# Altium PCB PCB1.PcbDoc
Units mm, origin at the board's own origin, x right, y up, seen from the top; angles counter-clockwise.
Board outline 179.96 x 99.31 mm, 2 copper layers (Top Layer, Bottom Layer); 90 components, 58 nets, 370 pads, 316 vias.
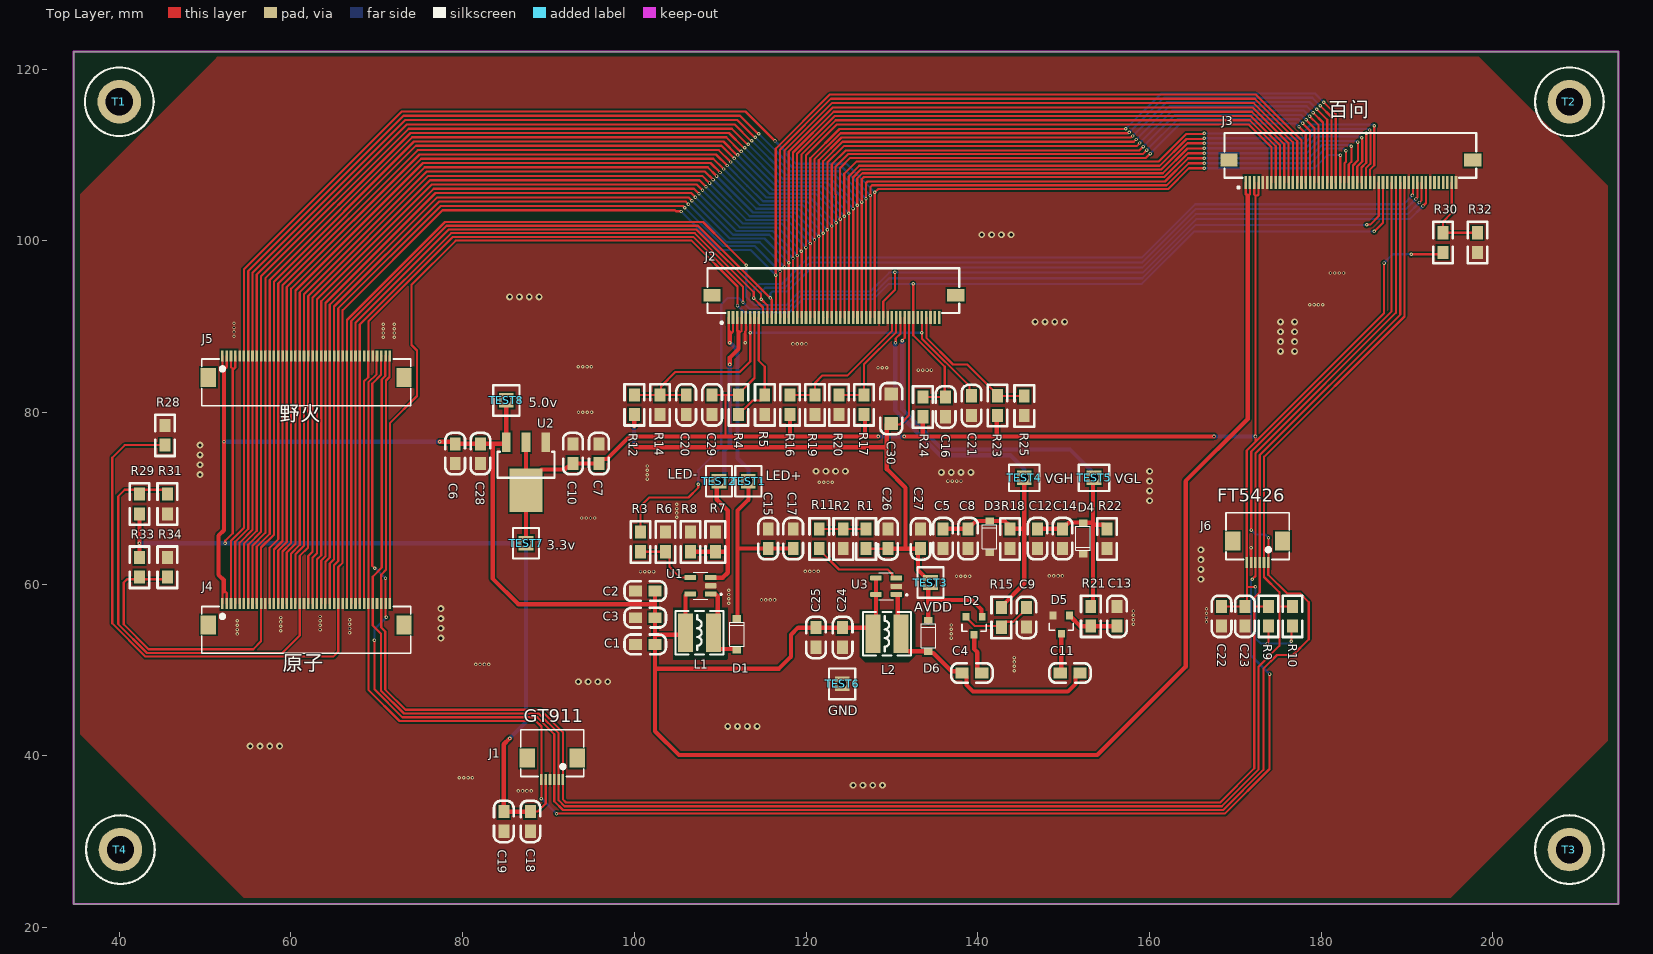
[diagram p0: Top Layer view]
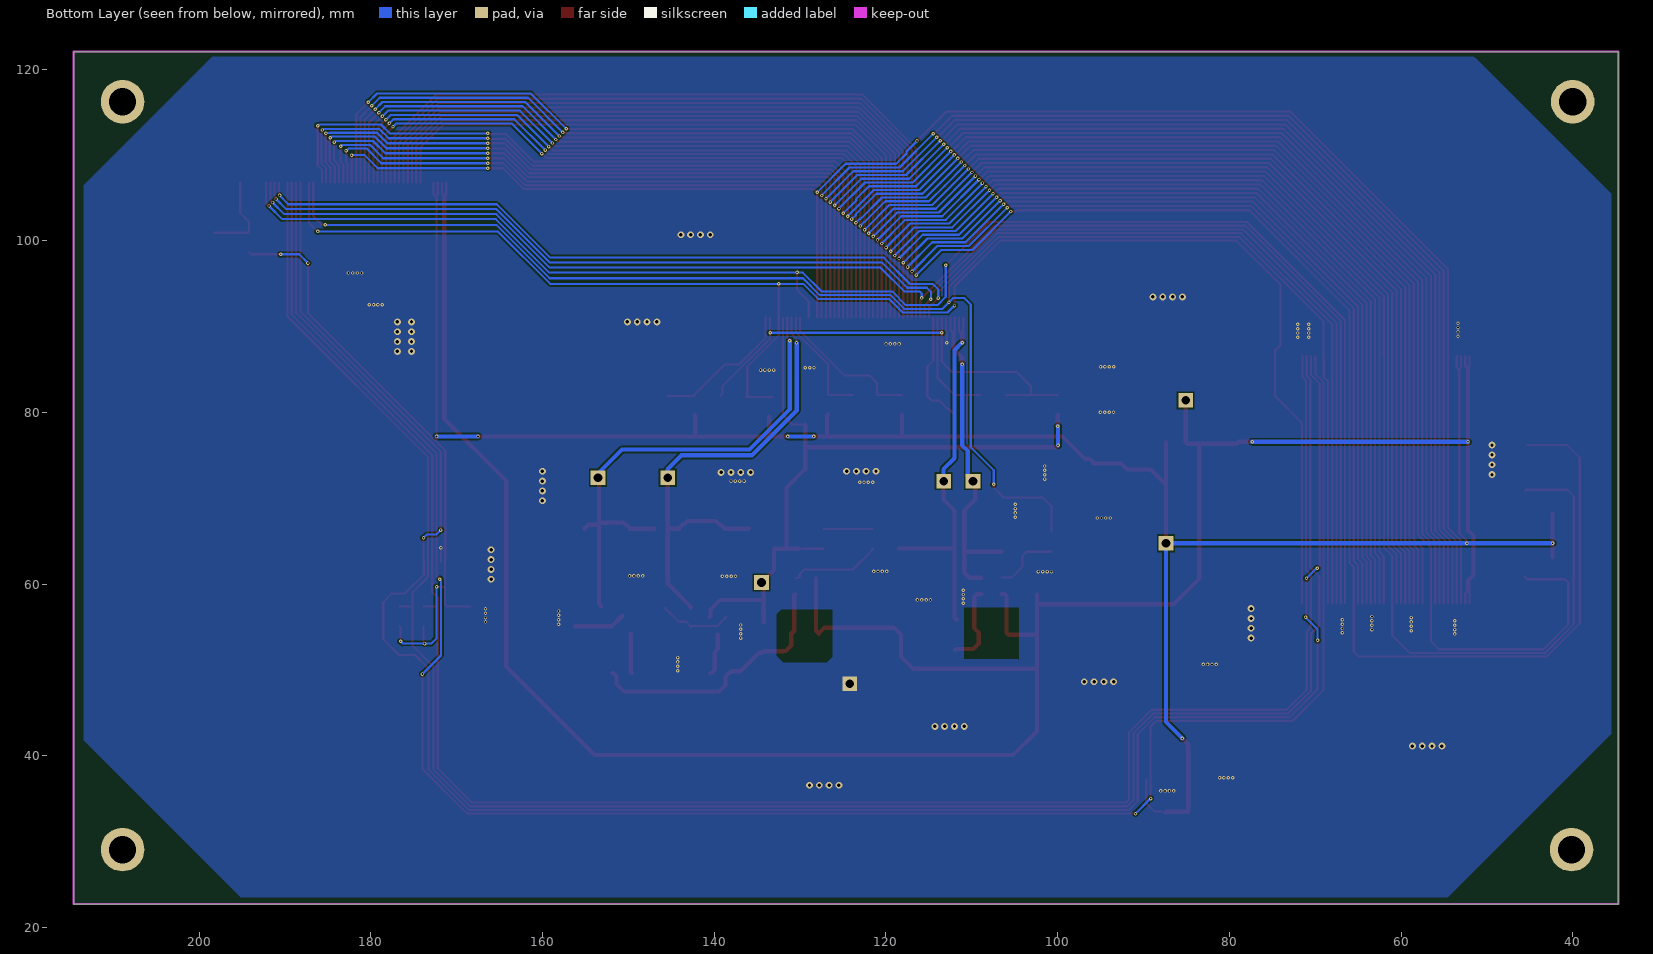
[diagram p1: Bottom Layer view, seen from below]
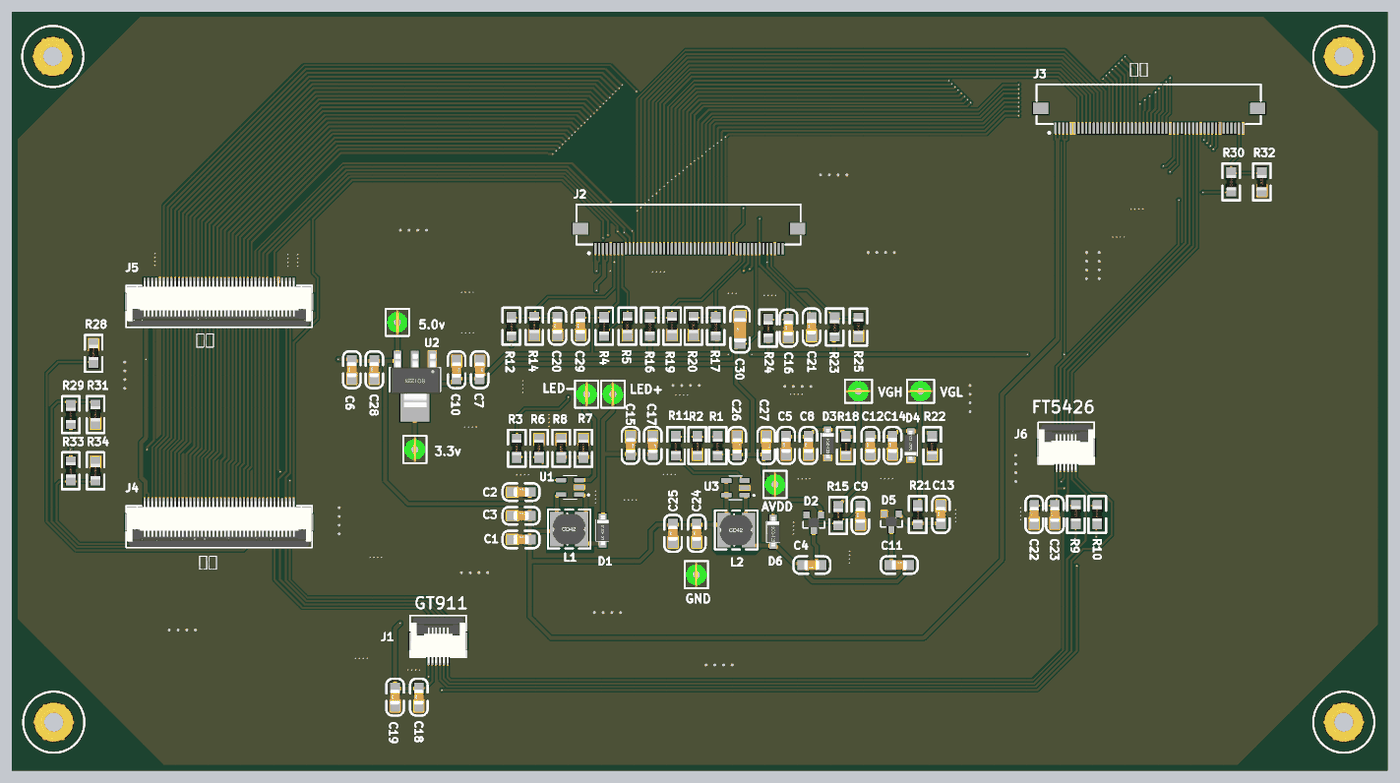
[diagram p2: 3D render of the assembled board from above, using the file's embedded part models]

## Layer stack, top to bottom
Top Solder: solder mask 0.0102, Solder Resist, Dk 3.5
Top Layer: signal copper 0.0356
Dielectric 1: dielectric 0.32, FR-4, Dk 4.8
Bottom Layer: signal copper 0.0356
Bottom Solder: solder mask 0.0102, Solder Resist, Dk 3.5

## Board outline
34.671,22.733 34.671,122.047 214.63,122.047 214.63,22.733

## Design rules (kind name [scope] priority, off if disabled: settings)
Clearance [All] p1: gap=0.18 ignorepadtopadclearanceinfootprint=FALSE
HoleSize [All] p1: absolutevalues=TRUE maxlimit=10 minlimit=0.025 maxpercent=80.000 minpercent=20.000
PolygonConnect [All] p1: connectstyle=Direct reliefconductorwidth=0.254 reliefentries=4 polygonreliefangle="90 Angle" airgapwidth=0.254
RoutingVias [All] p1: holewidth=0.2 width=0.4 viastyle="Through Hole" minholewidth=0.1 minwidth=0.2 maxholewidth=0.4 maxwidth=1
SolderMaskExpansion [All] p1: expansion=0.102 istentingtop=FALSE
Width [All] p1: maxlimit=1 minlimit=0.254 preferedwidth=0.254 minimp=50.000000 maximp=50.000000 favimp=50.000000
29 further rules are at their usual default settings.

## Components (designator, comment, footprint, x,y, rotation, side; value= is the part's Value field where it differs from the comment)
C1 "10u" 0805C 100.145,53.002 r0 top
C2 "10u" 0805C 100.145,59.207 r0 top
C3 "100n" 0805C 100.145,56.105 r0 top
C4 "100n" 0805C 140.444,49.647 r180 top
C5 "1u" 0805C 135.952,64.182 r90 top
C6 "10u" 0805C 79.121,74.084 r90 top
C7 "100n" 0805C 95.866,76.331 r270 top
C8 "100n" 0805C 138.861,64.182 r90 top
C9 "1u" 0805C 145.659,55.009 r90 top
C10 "10u" 0805C 92.847,76.331 r270 top
C11 "100n" 0805C 149.624,49.667 r0 top
C12 "1u" 0805C 146.954,64.182 r90 top
C13 "1u" 0805C 156.2,55.136 r90 top
C14 "100n" 0805C 149.864,64.182 r90 top
C15 "1u" 0805C 115.602,66.428 r270 top
C16 "100n" 0805C 136.249,79.52 r90 top
C17 "100n" 0805C 118.511,66.428 r270 top
C18 "10u" 0805C 87.884,31.238 r90 top
C19 "100n" 0805C 84.782,31.238 r90 top
C20 "100n" 0805C 106.029,79.774 r90 top
C21 "100n" 0805C 139.271,79.685 r90 top
C22 "10u" 0805C 168.402,55.136 r90 top
C23 "100n" 0805C 171.109,55.136 r90 top
C24 "10u" 0805C 124.25,52.672 r90 top
C25 "100n" 0805C 121.148,52.672 r90 top
C26 "100n" 0805C 129.55,66.403 r270 top
C27 "10u" 0805C 133.36,66.403 r270 top
C28 "100n" 0805C 82.061,74.084 r90 top
C29 "100n" 0805C 109.051,79.774 r90 top
C30 "100u" 1206C 129.921,78.74 r90 top
D1 "SS54" SOD-123 111.935,52.399 r90 top
D2 "BAV99" SOT23-3 139.573,55.217 r180 top
D3 "SS54" SOD-123 141.382,63.764 r90 top
D4 "SS54" SOD-123 152.273,67.107 r270 top
D5 "BAV99" SOT23-3 149.733,55.344 r180 top
D6 "SS54" SOD-123 134.239,52.197 r90 top
J1 "FPC0.5-6P" FPC0.5-6P 90.424,39.751 r180 top
J2 "50PIN0.5后压" FPC-SMD_KH-FG0.5-H2.0-50PIN 123.241,92.359 r0 top
J3 "50PIN0.5后压" FPC-SMD_KH-FG0.5-H2.0-50PIN 183.455,108.107 r0 top
J4 "FPC0.5-40P" FPC0.5-40P 61.766,55.252 r0 top
J5 "FPC0.5-40P" FPC0.5-40P 61.766,84.081 r0 top
J6 "FPC0.5-6P" FPC0.5-6P 172.593,65.024 r180 top
L1 "10uH" CD42 107.569,54.356 r0 top
L2 "10uH" CD42 129.413,54.229 r0 top
R1 "100k" 0805R 127,64.135 r90 top
R2 "15k" 0805R 124.333,64.135 r90 top
R3 "10k" 0805R 100.711,66.065 r270 top
R4 "0R" 0805R 112.141,79.756 r90 top
R5 "NC" 0805R 115.189,82.042 r270 top
R6 "47k" 0805R 103.618,66.065 r270 top
R7 "4.7R" 0805R 109.431,66.065 r270 top
R8 "4.7R" 0805R 106.524,66.065 r270 top
R9 "10k" 0805R 173.863,57.404 r270 top
R10 "10k" 0805R 176.657,57.404 r270 top
R11 "100k" 0805R 121.539,64.135 r90 top
R12 "10k" 0805R 99.992,79.756 r90 top
R14 "6.8k" 0805R 102.997,82.042 r270 top
R15 "1.2K" 0805R 142.748,54.987 r90 top
R16 "10k" 0805R 118.124,79.756 r90 top
R17 "NC" 0805R 126.746,79.756 r90 top
R18 "NC" 0805R 143.764,64.135 r90 top
R19 "NC" 0805R 121.031,82.042 r270 top
R20 "10k" 0805R 123.825,82.042 r270 top
R21 "2K" 0805R 153.162,55.114 r90 top
R22 "NC" 0805R 155.067,64.135 r90 top
R23 "NC" 0805R 142.299,79.667 r90 top
R24 "10K" 0805R 133.604,79.502 r90 top
R25 "10k" 0805R 145.415,81.915 r270 top
R28 "10k" 0805R 45.339,78.486 r270 top
R29 "10k" 0805R 42.355,68.199 r90 top
R30 "NC" 0805R 194.183,98.654 r90 top
R31 "10k" 0805R 45.593,70.485 r270 top
R32 "10k" 0805R 198.196,98.654 r90 top
R33 "10k" 0805R 42.355,63.119 r270 top
R34 "10k" 0805R 45.593,60.833 r90 top
T1 "M3铜柱" "M3 单孔" 40.005,116.205 r0 top
T2 "M3铜柱" "M3 单孔" 208.915,116.205 r0 top
T3 "M3铜柱" "M3 单孔" 208.915,29.083 r0 top
T4 "M3铜柱" "M3 单孔" 40.132,29.083 r0 top
TEST1 "TEST" "TEST TP1.4_G" 113.284,72.009 r90 top
TEST2 "TEST" "TEST TP1.4_G" 109.855,72.009 r90 top
TEST3 "TEST" "TEST TP1.4_G" 134.493,60.198 r90 top
TEST4 "TEST" "TEST TP1.4_G" 145.415,72.39 r180 top
TEST5 "TEST" "TEST TP1.4_G" 153.543,72.39 r180 top
TEST6 "TEST" "TEST TP1.4_G" 124.206,48.387 r90 top
TEST7 "TEST" "TEST TP1.4_G" 87.376,64.77 r90 top
TEST8 "TEST" "TEST TP1.4_G" 85.09,81.407 r90 top
U1 "MP3302" SOT95P280X100-5N 107.696,59.817 r180 top
U2 "AMS1117" SOT223 87.376,76.53 r180 top
U3 "MP1541" SOT95P280X100-5N 129.333,59.756 r180 top

## Footprints (in the part's own frame and the unit in brackets; to place one, negate y for a bottom-side part, rotate by r counter-clockwise, add the part's x,y. Pads: shape width x height; smd on the part's side, far side on the other; paste and mask are expansions set on the pad)
0805C [mil]
  rect 60x50 smd: 1(-0.71,-0.4) 2(89.29,-0.4)
  silkscreen extent -51,-45 139,45, body extent 6,-25 84,25, height 31
0805R [mil]
  rect 60x50 smd: 1(0,0) 2(90,0)
  silkscreen extent -50,-45 140,45, body extent 1,-25 80,25, height 15
1206C [mil]
  rect 60x60 smd: 1(0,0) 2(135,0)
  silkscreen extent -50,-50 185,50, body extent 2,-31 128,32, height 39
CD42 [mm] "4.5*4*2mm（长宽高）"
  rect 1.75x4.5 smd: 1(-1.625,0) 2(1.625,0)
  silkscreen extent -2.79,-2.54 2.79,2.54, body extent -2.21,-2 2.21,2, height 2.1
FPC0.5-6P [mm]
  rect 1.8x2.2 smd: 0(-2.9,0) 0(2.9,0)
  rect 0.3x1.3 smd: 1(-1.25,2.497) 2(-0.75,2.497) 3(-0.25,2.497) 4(0.25,2.497) 5(0.75,2.497) 6(1.25,2.497)
  silkscreen extent -3.67,-3.3 3.67,2.16, body extent -3.6,-3.05 3.6,2.95, height 2
FPC0.5-40P [mm]
  rect 1.8x2.2 smd: 0(-11.4,0) 0(11.4,0)
  rect 0.3x1.3 smd: 1(-9.75,2.497) 2(-9.25,2.497) 3(-8.75,2.497) 4(-8.25,2.497) 5(-7.75,2.497) 6(-7.25,2.497) 7(-6.75,2.497) 8(-6.25,2.497) 9(-5.75,2.497) 10(-5.25,2.497) 11(-4.75,2.497) 12(-4.25,2.497) 13(-3.75,2.497) 14(-3.25,2.497) 15(-2.75,2.497) 16(-2.25,2.497) 17(-1.75,2.497) 18(-1.25,2.497) 19(-0.75,2.497) 20(-0.25,2.497) 21(0.25,2.497) 22(0.75,2.497) 23(1.25,2.497) 24(1.75,2.497) 25(2.25,2.497) 26(2.75,2.497) 27(3.25,2.497) 28(3.75,2.497) 29(4.25,2.497) 30(4.75,2.497) 31(5.25,2.497) 32(5.75,2.497) 33(6.25,2.497) 34(6.75,2.497) 35(7.25,2.497) 36(7.75,2.497) 37(8.25,2.497) 38(8.75,2.497) 39(9.25,2.497) 40(9.75,2.497)
  silkscreen extent -12.17,-3.3 12.17,2.16, body extent -12.09,-3.23 12.11,2.77, height 2
FPC-SMD_KH-FG0.5-H2.0-50PIN [mm]
  rect 0.3x1.5 smd: 1(-12.25,-1.3) 2(-11.75,-1.3) 3(-11.25,-1.3) 4(-10.75,-1.3) 5(-10.25,-1.3) 6(-9.75,-1.3) 7(-9.25,-1.3) 8(-8.75,-1.3) 9(-8.25,-1.3) 10(-7.75,-1.3) 11(-7.25,-1.3) 12(-6.75,-1.3) 13(-6.25,-1.3) 14(-5.75,-1.3) 15(-5.25,-1.3) 16(-4.75,-1.3) 17(-4.25,-1.3) 18(-3.75,-1.3) 19(-3.25,-1.3) 20(-2.75,-1.3) 21(-2.25,-1.3) 22(-1.75,-1.3) 23(-1.25,-1.3) 24(-0.75,-1.3) 25(-0.25,-1.3) 26(0.25,-1.3) 27(0.75,-1.3) 28(1.25,-1.3) 29(1.75,-1.3) 30(2.25,-1.3) 31(2.75,-1.3) 32(3.25,-1.3) 33(3.75,-1.3) 34(4.25,-1.3) 35(4.75,-1.3) 36(5.25,-1.3) 37(5.75,-1.3) 38(6.25,-1.3) 39(6.75,-1.3) 40(7.25,-1.3) 41(7.75,-1.3) 42(8.25,-1.3) 43(8.75,-1.3) 44(9.25,-1.3) 45(9.75,-1.3) 46(10.25,-1.3) 47(10.75,-1.3) 48(11.25,-1.3) 49(11.75,-1.3) 50(12.25,-1.3)
  rect 2x1.5 smd: 51(14.2,1.3) 52(-14.2,1.3)
  silkscreen extent -14.73,-2.03 14.6,4.45
"M3 单孔" [mm] "M3铜柱，长：4mm"
  round 5.08 hole 3.175: 1(0,0)
  silkscreen extent -4,-4 4,4, body extent -2.7,-2.35 2.7,2.35, height 4.05
SOD-123 [mm] "塑封二极管"
  rect 0.8x1 smd: A(-0.051,0) K(3.607,0)
  silkscreen extent 0.38,-0.85 3.18,0.85, body extent -0.12,-0.89 3.73,0.81, height 1.43
SOT23-3 [mm]
  rect 0.8x0.9 smd: 1(-0.95,-1) 2(0.95,-1) 3(0,1.1)
  silkscreen extent -1.4,-0.1 1.4,0.7, body extent -0.7,-0.6 0.7,0.6, height 0.5
SOT95P280X100-5N [mm]
  rrect25% 1.34x0.59 smd: 1(-1.19,0.95) 2(-1.19,0) 3(-1.19,-0.95) 4(1.19,-0.95) 5(1.19,0.95)
  silkscreen extent -2.5,-1.56 0.85,1.56
SOT223 [mil]
  rect 40x90 smd: 1(-90,0) 2(0,0) 3(90,0)
  rect 150x200 smd: 2(0,220)
  silkscreen extent -130,43 130,163, body extent -130,-30 126,246, height 65
"TEST TP1.4_G" [mm] "绿色，测试环"
  rect 1.7x1.7 hole 1: 1(0,0)
  silkscreen extent -1.78,-1.52 1.78,1.52, body extent -1.67,-1.4 1.67,1.4, height 5.41

## Part data
C1 C2 C3 C4 C5 C6 C7 C8 C9 C10 C11 C12 C13 C14 C15 C16 C17 C18 C19 C20 C21 C22 C23 C24 C25 C26 C27 C28 C29 C30: library part CAP, "无极性电容"
D1 D3 D4 D6: library part "DIODE SCHOTTKY", "肖特基二极管"
D2 D5: "Two small signal silicon diodes connected anode to cathode.<br> Connections to all three nodes available.<br> DIO-10647", Package=None, Availability=Unavailable, MF="{'manufacturer': u'ON Semiconductor'}", MP=BAV99, Price=None
J1 J4 J5 J6: "贴片"
J2 J3: BOM_JLCPCB Part Class="Extended Part", BOM_Manufacturer=null, BOM_Manufacturer Part=50PIN0.5后压, BOM_Supplier=LCSC, BOM_Supplier Part=C9900011403, Contributor=LCSC, spicePre=C, spiceSymbolName=50PIN0.5后压
L1 L2: library part INDUCTOR, "INDUCTOR"
R1 R2 R3 R4 R5 R6 R7 R8 R9 R10 R11 R12 R14 R15 R16 R17 R18 R19 R20 R21 R22 R23 R24 R25 R28 R29 R30 R31 R32 R33 R34: library part RES
TEST1 TEST2 TEST3 TEST4 TEST5 TEST6 TEST7 TEST8: "测试针", BOM名称=耳机插座, 学习资源=www.ooocke.com, 版权归属=源创客
U1 U3: Package=None, Availability=Unavailable, MF="{'manufacturer': u'Texas Instruments'}", MP=TPS563201DDCR, Price=None
U2: "三端稳压芯片"

## Via types
v1: diameter 0.4, hole 0.2, Top Layer to Bottom Layer, tented both sides, 256 vias
v2: diameter 0.8, hole 0.4, Top Layer to Bottom Layer, tented both sides, 60 vias

## Nets (pads, with @x,y where several pads share a name; then routed paths per layer and width w, separated by ;. In a path a pad name is that pad's centre, name@x,y a point inside that pad or via, vN(x,y) a via of type N, cw(c..) or ccw(c..) an arc to the next point about the centre after c; other vN are vias at no path point)
AVDD: C26.2 C27.2 C30.1 D2.1 D6.K J2.43 R1.1 R12.1 TEST3.1 | length 85.2
  Top Layer w0.254: R1.1@127.254,64.135 C26.2@129.794,64.135 ; C30.1@129.413,78.613 130.937,78.613 131.991,79.667 J2.43
  Top Layer w0.5: v1(99.949,76.2) 100.203,75.946 129.413,75.946 ; v1(99.992,78.402) R12.1 ; C30.1@129.413,78.613 129.413,75.946 ; C26.2@130.139,64.135 131.581,64.135 ; D6.K@134.239,55.55 134.239,58.166 ; D2.1 140.44,56.299 140.44,57.045 139.319,58.166 134.239,58.166 ; 129.413,75.946 129.413,73.406 131.581,71.238 131.581,64.135 ; 131.581,64.135 133.023,64.135 133.049,64.16 133.049,61.642 TEST3.1 134.239,59.944 134.239,58.166
  Bottom Layer w0.5: v1(99.949,76.2) 99.949,78.359 v1(99.992,78.402)
CTP-INT: J1.3 J3.35 J4.39 J5.38 J6.1 | length 239.3
  Top Layer w0.254: v1(69.723,53.467) 69.723,47.752 72.972,44.503 88.699,44.503 90.674,42.528 J1.3 90.674,34.717 91.683,33.708 168.603,33.708 173.269,38.374 173.269,50.165 174.856,51.752 176.72,51.752 178.562,53.594 178.562,57.912 177.546,58.928 176.022,58.928 173.843,61.107 J6.1 173.853,62.537 173.853,65.395 v1(173.863,65.405) ; v1(69.773,61.854) 69.469,62.158 69.469,83.354 70.473,84.359 70.473,85.914 70.493,85.934 70.493,86.555 J5.38 ; v1(71.009,60.692) 71.016,60.685 J4.39 71.016,56.278 71.12,56.174 v1(71.12,56.134) ; v1(171.848,66.308) 171.855,66.315 171.855,75.462 188.205,91.812 J3.35
  Bottom Layer w0.254: v1(69.723,53.467) 69.723,54.737 v1(71.12,56.134) ; v1(69.773,61.854) 69.801,61.826 69.889,61.826 71.009,60.706 v1(71.009,60.692) ; v1(171.848,66.308) 172.37,65.786 173.482,65.786 v1(173.863,65.405)
CTP-RST: J1.6 J3.36 J4.35 J5.37 J6.4 | length 233.5
  Top Layer w0.254: J5.37 69.993,86.555 69.993,85.934 69.973,85.914 69.973,84.473 69.016,83.515 J4.35 69.016,47.697 72.644,44.069 88.519,44.069 89.174,43.414 J1.6 89.17,37.251 89.17,35.036 v1(89.167,35.032) ; v1(90.932,33.274) 168.783,33.274 173.99,38.481 v1(173.99,49.53) ; v1(171.958,60.579) 172.343,60.964 J6.4 172.355,62.539 172.355,75.255 188.705,91.605 J3.36
  Bottom Layer w0.254: v1(89.167,35.032) 89.174,35.032 v1(90.932,33.274) ; v1(171.958,60.579) 171.958,60.539 171.832,60.413 171.832,51.688 v1(173.99,49.53)
CTP-SCL: J1.1 J3.37 J4.38 J5.40 J6.3 R9.1 | length 229.4
  Top Layer w0.254: J5.40 71.493,86.555 71.493,85.934 71.473,85.914 71.473,84.131 71.073,83.731 71.073,61.675 70.516,61.118 70.516,60.916 70.502,60.902 70.502,60.482 70.516,60.468 J4.38 70.516,54.96 70.985,54.491 70.985,47.72 73.334,45.371 89.058,45.371 91.674,42.755 J1.1 91.674,34.945 92.043,34.576 168.244,34.576 172.212,38.544 172.212,57.277 ; R9.1 172.843,57.404 172.339,57.404 172.212,57.277 ; J3.37 189.205,91.398 172.855,75.048 172.855,62.539 172.846,62.53 172.846,59.054 172.212,58.42 172.212,57.404 172.212,57.277
CTP-SDA: J1.2 J3.38 J4.36 J5.39 J6.2 R10.1 | length 232.6
  Top Layer w0.254: J5.39 70.993,86.555 70.993,85.934 70.973,85.914 70.973,84.245 70.573,83.845 70.573,61.937 69.516,60.88 J4.36 69.516,55.198 70.485,54.229 70.485,47.606 73.154,44.937 88.879,44.937 91.174,42.642 J1.2 91.174,34.831 91.863,34.142 168.423,34.142 172.712,38.431 172.712,50.419 175.133,52.84 175.133,57.404 ; R10.1 175.133,57.404 ; J3.38 189.705,91.191 173.355,74.841 173.355,62.539 J6.2 173.343,60.845 175.133,59.055 175.133,57.404
DISP: J5.34
DITHB: J2.47 R23.2 R25.1 | length 16.7
  Top Layer w0.254: J2.47 134.014,91.036 134.014,88.702 137.118,85.598 138.781,85.598 142.299,82.08 R23.2 142.337,81.915 R25.1
GND: C1.1 C2.1 C3.1 C5.1 C6.1 C7.1 C8.1 C9.1 C10.1 C12.1 C13.2 C14.1 C15.1 C16.1 C17.1 C18.1 C19.1 C20.1 C21.1 C22.1 C23.1 C24.1 C25.1 C26.1 C27.1 C28.1 C29.1 C30.2 D3.A D4.K D5.2 J1.4 J2.5 J2.36 J2.38 J2.48 J3.5 J3.6 J3.31 J3.39 J3.44 J3.50 J4.11 J4.20 J4.29 J5.5 J5.36 J6.5 R2.1 R5.2 R6.1 R7.1 R8.1 R14.2 R18.1 R19.2 R20.2 R22.1 R25.2 R28.1 R31.2 R32.1 R34.2 TEST6.1 U1.2 U2.1 U3.2 | length 4.7
  Top Layer w0.254: v1(112.922,88.117) 112.922,89.429 112.991,89.498 J2.5 ; v1(171.831,64.262) 171.843,64.25 J6.5
  other v1: 86.466,35.922 86.974,35.922 87.482,35.922 87.99,35.922 79.608,37.446 80.116,37.446 80.624,37.446 81.132,37.446 144.253,49.932 144.253,50.44 81.513,50.654 82.021,50.654 82.529,50.654 83.037,50.654 144.253,50.948 144.253,51.456 136.906,53.721 53.74,54.208 136.906,54.229 66.821,54.335 58.82,54.589 53.74,54.716 63.392,54.716 136.906,54.737 66.821,54.843 58.82,55.097 53.74,55.224 63.392,55.224 136.906,55.245 66.821,55.351 158.134,55.351 58.82,55.605 166.643,55.605 53.74,55.732 63.392,55.732 66.821,55.859 158.134,55.859 58.82,56.113 166.643,56.113 63.392,56.24 158.134,56.367 166.643,56.621 158.134,56.875 166.643,57.129 110.998,57.785 114.808,58.166 115.316,58.166 115.824,58.166 116.332,58.166 110.998,58.293 110.998,58.801 110.998,59.309 137.52,60.941 138.028,60.941 138.536,60.941 139.044,60.941 148.336,60.96 148.844,60.96 149.352,60.96 149.86,60.96 100.711,61.468 101.219,61.468 101.727,61.468 102.235,61.468 119.909,61.487 120.417,61.487 120.925,61.487 121.433,61.487 93.874,67.71 94.382,67.71 94.89,67.71 95.398,67.71 104.921,67.797 104.921,68.305 104.921,68.813 104.921,69.321 121.539,71.882 122.047,71.882 122.555,71.882 123.063,71.882 136.525,72.009 137.033,72.009 137.541,72.009 138.049,72.009 101.492,72.242 101.492,72.75 101.492,73.258 101.492,73.766 93.493,80.029 94.001,80.029 94.509,80.029 95.017,80.029 133.075,84.944 133.583,84.944 134.091,84.944 134.599,84.944 128.376,85.198 128.884,85.198 129.392,85.198 93.472,85.344 93.98,85.344 94.488,85.344 94.996,85.344 118.47,87.992 118.978,87.992 119.486,87.992 119.994,87.992 70.758,88.752 72.028,88.752 53.359,88.879 70.758,89.26 72.028,89.26 53.359,89.387 70.758,89.768 72.028,89.768 53.359,89.895 70.758,90.276 72.028,90.276 53.359,90.403 178.668,92.564 179.176,92.564 179.684,92.564 180.192,92.564 181.081,96.247 181.589,96.247 182.097,96.247 182.605,96.247
  other v2: 125.476,36.576 126.619,36.576 127.762,36.576 128.905,36.576 55.245,41.148 56.388,41.148 57.531,41.148 58.674,41.148 110.871,43.434 112.014,43.434 113.157,43.434 114.3,43.434 93.472,48.641 94.615,48.641 95.758,48.641 96.901,48.641 77.47,53.721 77.47,54.864 77.47,56.007 77.47,57.15 165.989,60.579 165.989,61.722 165.989,62.865 165.989,64.008 160.02,69.723 160.02,70.866 160.02,72.009 49.403,72.771 135.763,73.025 136.906,73.025 138.049,73.025 139.192,73.025 121.158,73.152 122.301,73.152 123.444,73.152 124.587,73.152 160.02,73.152 49.403,73.914 49.403,75.057 49.403,76.2 175.26,87.122 176.911,87.122 175.26,88.265 176.911,88.265 175.26,89.408 176.911,89.408 146.685,90.551 147.828,90.551 148.971,90.551 150.114,90.551 175.26,90.551 176.911,90.551 85.471,93.472 86.614,93.472 87.757,93.472 88.9,93.472 140.462,100.711 141.605,100.711 142.748,100.711 143.891,100.711